# Altium PCB BerndoKeyboard-Switchboard.PcbDoc (part 2 of 3) (continued)
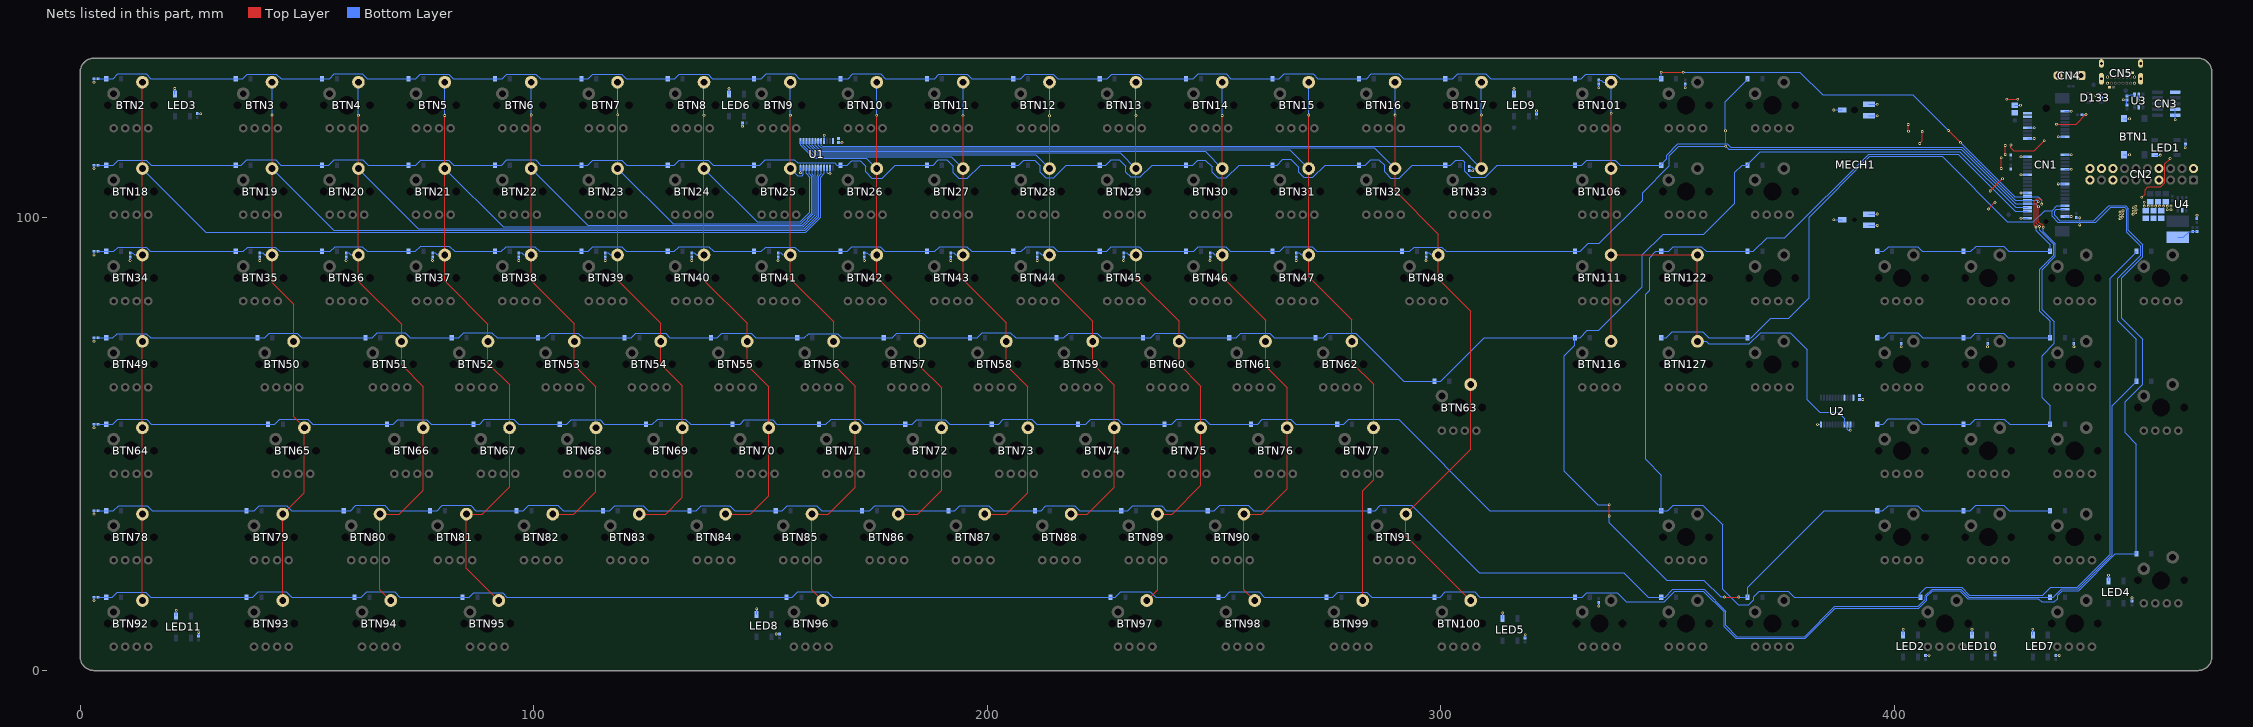
[diagram p2: the nets of this part, all layers, seen from the top]
## Part data (continued)
R39: "RES 60K4 1% 1/16W SMD 0402 YAEGO", Case/Package=0402, Case Code (Metric)=1005, Internal Part Number=R000021, Manufacturer=Yageo, Max Operating Temperature=155°C, Min Operating Temperature=-55°C, Power Rating=62.5mW, Resistance=60.4kR, Supplier Part Number 1=311-60.4KLRCT-ND, Temperature Coefficient=100ppm/°C, Tolerance=1%, Voltage Rating=50V, Case Code (Imperial)=0402, ComponentLink1Description=https://datasheet.ciiva.com/17068/pyu-rc0402-51-rohs-l-6-r-17068614.pdf?src-supplier=Future+Electronics, ComponentLink1URL=https://datasheet.ciiva.com/17068/pyu-rc0402-51-rohs-l-6-r-17068614.pdf?src-supplier=Future+Electronics, ComponentLink2Description=https://datasheet.ciiva.com/28398/pyu-rc0402-51-rohs-l-6-28398086.pdf?src-supplier=Avnet+Europe, ComponentLink2URL=https://datasheet.ciiva.com/28398/pyu-rc0402-51-rohs-l-6-28398086.pdf?src-supplier=Avnet+Europe, ComponentLink3Description=https://datasheet.ciiva.com/16867/pyu-rc0402-51-rohs-l-6-16867357.pdf?src-supplier=Avnet+Europe, ComponentLink3URL=https://datasheet.ciiva.com/16867/pyu-rc0402-51-rohs-l-6-16867357.pdf?src-supplier=Avnet+Europe, ComponentLink4Description=https://datasheet.ciiva.com/8888/pyu-rc0402-51-rohs-l-6-8888622.pdf?src-supplier=Avnet, ComponentLink4URL=https://datasheet.ciiva.com/8888/pyu-rc0402-51-rohs-l-6-8888622.pdf?src-supplier=Avnet, Composition="Thick Film", Contact Plating=Tin,Matte, Depth=0.5mm, Lead Free="Lead Free", Length=1mm, Manufacturer Part Number=RC0402FR-0760K4L, Military Standard=Not, Packaging="Tape and Reel", Pricing 1="1 = 0,10000, 10 = 0,01600, 100 = 0,00640, 1000 = 0,00289, 2500 = 0,00251, 5000 = 0,00207 (USD)", RoHS=Yes, Stock 1=969860, Supplier 1=Digi-Key, Termination=SMD/SMT, Voltage Rating (DC)=50V, Width=500um
TP1 TP2 TP3 TP4 TP5: library part TESTPOINT_CIRCULAR_1MM
U1 U2: "IC I/O EXPANDER I2C 16B 24TSSOP", Case/Package=TSSOP, Frequency=400kHz, Internal Part Number=IC000051, Manufacturer="NXP Semiconductors", Max Operating Temperature=85°C, Max Power Dissipation=200mW, Max Supply Voltage=5.5V, Min Operating Temperature=-40°C, Min Supply Voltage=2.3V, Nominal Supply Current=160mA, Operating Supply Current=135uA, Output Current=50mA, Output Voltage=4.1V, Package Quantity=1, Supplier Part Number 1=568-1058-1-ND, ComponentLink1Description=https://datasheet.ciiva.com/15134/getdatasheetpartid-148982-15134333.pdf?src-supplier=Verical, ComponentLink1URL=https://datasheet.ciiva.com/15134/getdatasheetpartid-148982-15134333.pdf?src-supplier=Verical, ComponentLink2Description=https://datasheet.ciiva.com/1780/pca9555-1780068.pdf?src-supplier=Digi-Key, ComponentLink2URL=https://datasheet.ciiva.com/1780/pca9555-1780068.pdf?src-supplier=Digi-Key, ComponentLink3Description=https://datasheet.ciiva.com/1504/1090559-1504901.pdf?src-supplier=Farnell, ComponentLink3URL=https://datasheet.ciiva.com/1504/1090559-1504901.pdf?src-supplier=Farnell, ComponentLink4Description=https://datasheet.ciiva.com/1780/pca9555-1780069.pdf?src-supplier=Digi-Key, ComponentLink4URL=https://datasheet.ciiva.com/1780/pca9555-1780069.pdf?src-supplier=Digi-Key, ComponentLink5Description=https://datasheet.ciiva.com/1780/pca9555-1780070.pdf?src-supplier=Digi-Key, ComponentLink5URL=https://datasheet.ciiva.com/1780/pca9555-1780070.pdf?src-supplier=Digi-Key, ComponentLink6Description=https://datasheet.ciiva.com/1495/1090559-1495945.pdf?src-supplier=Element14, ComponentLink6URL=https://datasheet.ciiva.com/1495/1090559-1495945.pdf?src-supplier=Element14, ComponentLink7Description=https://datasheet.ciiva.com/8122/pca9555-8122281.pdf?src-supplier=Avnet, ComponentLink7URL=https://datasheet.ciiva.com/8122/pca9555-8122281.pdf?src-supplier=Avnet, ComponentLink8Description=https://datasheet.ciiva.com/46381/1090559-46381881.pdf?src-supplier=Element14, ComponentLink8URL=https://datasheet.ciiva.com/46381/1090559-46381881.pdf?src-supplier=Element14, ComponentLink9Description=https://datasheet.ciiva.com/4826/pca9555-4826810.pdf?src-supplier=Mouser, ComponentLink9URL=https://datasheet.ciiva.com/4826/pca9555-4826810.pdf?src-supplier=Mouser, Interface=I2C,SMBus,Serial, Lead Free="Lead Free", Manufacturer Part Number=PCA9555PW,118, Max Frequency=400kHz, Mount="Surface Mount", Number of I/Os=16, Number of Pins=24, Packaging="Tape and Reel", Pricing 1="1 = 1,70000, 10 = 1,52900, 100 = 1,22860, 500 = 1,00940, 1000 = 0,83636 (USD)", Radiation Hardening=No, REACH SVHC="No SVHC", RoHS=Yes, Stock 1=10944, Supplier 1=Digi-Key
U3: "IC LEVEL SHIFTER BIDIR TRISTATE 1CH SOT-23-6 1V65-5V5", Case/Package=SOT-23, High Level Output Current=-32mA, Internal Part Number=IC000052, Low Level Output Current=32mA, Manufacturer="Texas Instruments", Max Operating Temperature=85°C, Max Supply Voltage=5.5V, Min Operating Temperature=-40°C, Min Supply Voltage=1.65V, Package Quantity=3000, Quiescent Current=3uA, Supplier Part Number 1=296-16843-1-ND, ComponentLink1Description=https://datasheet.ciiva.com/27055/2000549-27055985.pdf?src-supplier=Jameco, ComponentLink1URL=https://datasheet.ciiva.com/27055/2000549-27055985.pdf?src-supplier=Jameco, ComponentLink2Description=https://datasheet.ciiva.com/23943/1772421-23943378.pdf?src-supplier=Newark, ComponentLink2URL=https://datasheet.ciiva.com/23943/1772421-23943378.pdf?src-supplier=Newark, ComponentLink3Description=https://datasheet.ciiva.com/15086/getdatasheetpartid-309359-15086627.pdf?src-supplier=Verical, ComponentLink3URL=https://datasheet.ciiva.com/15086/getdatasheetpartid-309359-15086627.pdf?src-supplier=Verical, ComponentLink4Description=https://datasheet.ciiva.com/7293/1862463-7293669.pdf?src-supplier=Newark, ComponentLink4URL=https://datasheet.ciiva.com/7293/1862463-7293669.pdf?src-supplier=Newark, ComponentLink5Description=https://datasheet.ciiva.com/1899/sn74lvc1t45-1899260.pdf?src-supplier=Digi-Key, ComponentLink5URL=https://datasheet.ciiva.com/1899/sn74lvc1t45-1899260.pdf?src-supplier=Digi-Key, ComponentLink6Description=https://datasheet.ciiva.com/1899/sn74lvc1t45-1899261.pdf?src-supplier=Digi-Key, ComponentLink6URL=https://datasheet.ciiva.com/1899/sn74lvc1t45-1899261.pdf?src-supplier=Digi-Key, ComponentLink7Description=https://datasheet.ciiva.com/25973/sn74lvc1t45-25973997.pdf?src-supplier=Avnet+Europe, ComponentLink7URL=https://datasheet.ciiva.com/25973/sn74lvc1t45-25973997.pdf?src-supplier=Avnet+Europe, ComponentLink8Description=https://datasheet.ciiva.com/1899/sn74lvc1t45-1899262.pdf?src-supplier=Digi-Key, ComponentLink8URL=https://datasheet.ciiva.com/1899/sn74lvc1t45-1899262.pdf?src-supplier=Digi-Key, Contact Plating=Gold, Data Rate=420Mbps, Direction=Bidirectional, Height=1.75mm, Lead Free="Lead Free", Length=3.05mm, Logic Function=Translator,Transceiver, Manufacturer Part Number=SN74LVC1T45DBVR, Mount="Surface Mount", Number of Bits=1, Number of Channels=1, Number of Elements=1, Number of Inputs=1, Number of Pins=6, Packaging="Tape and Reel", Polarity=Non-Inverting, Pricing 1="1 = 0,60000, 10 = 0,51000, 100 = 0,38070, 500 = 0,29912, 1000 = 0,23113 (USD)", Propagation Delay=3.9ns, Radiation Hardening=No, REACH SVHC="No SVHC", RoHS=Yes, Stock 1=70407, Supplier 1=Digi-Key, Turn-On Delay Time=36.2ns, Weight=0.000229oz, Width=1.3mm
U4: "IC REGULATOR BUCK 2A SYNC 1MHZ SOT-23-6", Case/Package=SOT-23-6, Internal Part Number=IC000028, Manufacturer=Diodes, Max Input Voltage=5.5V, Max Operating Temperature=85°C, Min Input Voltage=2.7V, Min Operating Temperature=-40°C, Min Output Voltage=600mV, Output Current=2A, Supplier Part Number 1=AP3419KTTR-G1DICT-ND, Switching Frequency=1MHz, ComponentLink1Description=https://www.diodes.com/assets/Datasheets/AP3419.pdf?src-supplier=Digi-Key, ComponentLink1URL=https://www.diodes.com/assets/Datasheets/AP3419.pdf?src-supplier=Digi-Key, Manufacturer Part Number=AP3419KTTR-G1, Max Output Voltage=5.5V, Mount="Surface Mount", Number of Outputs=1, Output Configuration=Positive, Output Type=Adjustable, Packaging="Tape and Reel", Pricing 1="1 = 0,42000, 10 = 0,33900, 100 = 0,23070, 500 = 0,17304, 1000 = 0,12978 (USD)", RoHS=Yes, Stock 1=72992, Supplier 1=Digi-Key, Synchronous Rectifier=Yes

## Via types
v1: diameter 0.6, hole 0.3, Top Layer to Bottom Layer, tented both sides, 203 vias

## Nets (pads, with @x,y where several pads share a name; then routed paths per layer and width w, separated by ;. In a path a pad name is that pad's centre, name@x,y a point inside that pad or via, vN(x,y) a via of type N, cw(c..) or ccw(c..) an arc to the next point about the centre after c; other vN are vias at no path point)
3V3: C1.1 C2.1 C3.1 C4.1 C20.1 C21.1 C22.1 C23.1 CN1.2 CN1.4 CN2.2 CN2.8 CN3.10 CN4.1 L1.2 R1.1 R32.1 R33.1 R34.1 R38.1 U1.24 U2.21 U2.24 U3.1 U3.5 | length 56.2
  Top Layer w0.25: v1(403.104,120.39) 403.114,120.381 403.114,118.896 v1(403.124,118.886) ; v1(405.604,116.208) 406.18,116.784 v1(406.18,118.83) ; v1(420.779,101.777) v1(422.206,103.204) ; v1(421.143,105.735) v1(423.862,108.454) ; v1(423.592,110.696) v1(423.592,113.044) ; v1(424.451,113.802) v1(424.451,115.764) ; v1(424.816,125.97) 424.821,125.965 v1(427.224,125.965) ; v1(425.715,115.888) 425.715,115.25 426.379,114.586 430.839,114.586 v1(433.051,116.798) ; v1(435.791,120.435) 440.087,120.435 v1(442.262,122.61) ; v1(440.895,99.849) 440.895,98.264 v1(440.906,98.254) ; v1(454.589,104.325) 455.313,105.05 455.313,106.023 455.92,106.63 458.729,106.63 459.668,107.569 459.668,111.74 v1(460.82,112.893)
  Bottom Layer w0.25: R34.1@440.1,99.85 v1(440.895,99.849) ; R1.1@441.35,122.6 442.252,122.6 v1(442.262,122.61) ; C4.1@451.3,126.71 451.397,126.807 451.985,126.807 452.153,126.975 U3.1@452.95,126.975 ; v1@454.589,104.316 v1(454.589,104.325) ; L1.2@462.5,95.5 463.7,95.5 465,96.8 R38.1@465.85,96.8 465.855,96.805 466.745,96.805 C20.1@466.75,96.81
  other v1: 449.793,99.617 450.348,99.98 449.793,100.343 452.662,100.584 450.395,100.709 453.25,100.924 449.768,101.094 452.685,101.282 450.432,101.367 453.291,101.61 452.679,102.043 453.265,102.379
GND: BTN1.1 BTN1.2 C1.2 C2.2 C3.2 C4.2 C5.2 C6.2 C7.2 C8.2 C9.2 C10.2 C11.2 C12.2 C13.2 C14.2 C15.2 C16.2 C17.2 C18.2 C19.2 C21.2 C22.2 C23.2 CN1.1 CN1.10 CN1.15 CN1.16 CN1.17 CN1.18 CN1.25 CN1.28 CN1.33 CN1.38 CN1.51 CN1.52 CN2.7 CN2.15 CN2.16 CN2.18 CN2.19 CN2.20 CN3.2 CN3.4 CN4.3 CN5.A1 CN5.A12 CN5.B1 CN5.B12 CN5.SH D133.2 LED1.1 LED2.1 LED3.1 LED4.1 LED5.1 LED6.1 LED7.1 LED8.1 LED9.1 LED10.1 LED11.1 MECH1.0 R3.1 R4.1 R5.1 R6.1 R7.1 R8.1 R9.1 R10.1 R11.1 R12.1 R13.1 R14.1 R15.1 R16.1 R17.1 R18.1 R19.2 R20.2 R21.2 R22.2 R23.2 R24.2 R25.2 R26.1 R27.1 R28.1 R29.1 R30.1 R31.1 R35.2 R36.2 R39.2 U1.2 U1.3 U1.12 U1.21 U2.2 U2.3 U2.12 U3.2 U4.2 | length 93.6
  Bottom Layer w0.25: v1(3.035,15.443) R25.2@3.035,16.185 ; v1(3.035,34.493) R24.2@3.035,35.235 ; v1(3.035,53.543) R23.2@3.035,54.285 ; v1(3.035,72.593) R22.2@3.035,73.335 ; v1(3.035,91.643) R21.2@3.035,92.385 ; v1(3.035,110.693) R20.2@3.035,111.435 ; v1(3.035,129.743) R19.2@3.035,130.485 ; v1(10.985,90.423) R3.1@10.985,91.165 ; LED3.1@20.85,127.1 v1(20.85,128.329) ; LED11.1@21.15,12.05 v1(21.15,13.279) ; C8.2@25.815,122.775 v1(26.557,122.775) ; C16.2@26.115,7.655 v1(26.115,8.397) ; v1(39.56,90.423) R4.1@39.56,91.165 ; v1(58.61,90.423) R5.1@58.61,91.165 ; v1(77.66,90.423) R6.1@77.66,91.165 ; v1(96.71,90.423) R7.1@96.71,91.165 ; v1(115.76,90.423) R8.1@115.76,91.165 ; v1(134.81,90.423) R9.1@134.81,91.165 ; LED6.1@143.05,127.1 v1(143.05,128.329) ; v1(146.005,119.993) C11.2@146.005,120.735 ; LED8.1@149.15,12.35 v1(149.15,13.579) ; v1(153.443,8.055) C13.2@154.185,8.055 ; v1(153.86,90.423) R10.1@153.86,91.165 ; U1.12@158.81,110.835 158.838,110.808 v1(158.838,109.787) ; v1(164.038,118.017) 164.038,116.767 U1.21@164.04,116.765 ; U1.3@164.675,110.85 164.713,110.812 164.713,109.785 164.861,109.638 165.267,109.638 v1(165.334,109.571) 165.334,110.812 U1.2@165.31,110.835 ; C2.2@167.215,116.405 v1(167.957,116.405) ; v1(172.91,90.423) R11.1@172.91,91.165 ; v1(191.96,90.423) R12.1@191.96,91.165 ; v1(211.01,90.423) R13.1@211.01,91.165 ; v1(230.06,90.423) R14.1@230.06,91.165 ; v1(249.11,90.423) R15.1@249.11,91.165 ; v1(268.16,90.423) R16.1@268.16,91.165 ; v1(296.735,90.423) R17.1@296.735,91.165 ; R18.1@306.29,110.215 v1(307.032,110.215) ; LED5.1@313.65,11.45 v1(313.65,12.679) ; LED9.1@316.15,127.1 v1(316.15,128.329) ; C10.2@318.615,7.155 v1(318.615,7.897) ; C14.2@321.115,122.705 v1(321.115,123.447) ; v1(334.835,14.223) R28.1@334.835,14.965 ; v1(334.835,128.523) R26.1@334.835,129.265 ; v1(353.885,128.523) R27.1@353.885,129.265 ; v1(383.068,54.265) U2.12@383.81,54.265 ; v1(386.655,99.4) MECH1.0@388.5,99.4 ; v1(386.655,123.6) MECH1.0@388.5,123.6 ; U2.3@389.675,54.25 389.675,53.175 389.854,52.996 v1(390.302,52.996) 390.302,54.227 U2.2@390.31,54.235 ; C3.2@392.315,59.745 v1(393.057,59.745) ; MECH1.0@394.4,98.15 v1(396.245,98.15) ; MECH1.0@394.4,100.65 396.245,100.65 v1(396.256,100.661) ; MECH1.0@394.4,122.35 v1(396.245,122.35) ; MECH1.0@394.4,124.85 v1(396.245,124.85) ; v1(401.51,71.373) R29.1@401.51,72.115 ; LED2.1@401.95,7.85 v1(401.95,9.079) ; C7.2@406.917,3.325 v1(407.66,3.325) ; LED10.1@417.15,7.85 v1(417.15,9.079) ; v1(420.56,71.373) R30.1@420.56,72.115 ; C15.2@422.215,3.415 v1(422.215,4.157) ; C1.2@426.6,124.65 426.614,124.636 v1(427.839,124.636) ; v1(427.955,99.7) CN1.52@429.4,99.7 ; v1(427.955,105.3) CN1.38@429.4,105.3 ; v1(427.955,109.3) CN1.28@429.4,109.3 ; v1(427.955,113.3) CN1.18@429.4,113.3 ; CN1.16@429.4,117.3 v1(430.845,117.3) ; CN1.10@429.4,119.7 v1(430.845,119.7) ; LED7.1@430.55,7.85 v1(430.55,9.079) ; C12.2@435.615,3.325 v1(436.357,3.325) ; v1(436.155,107.3) CN1.33@437.6,107.3 ; v1(436.155,117.7) CN1.15@437.6,117.7 ; CN1.51@437.6,100.1 v1(439.045,100.1) ; CN1.25@437.6,110.5 v1(439.045,110.5) ; CN1.17@437.6,113.7 v1(439.045,113.7) ; CN1.1@437.6,123.3 v1(439.045,123.3) ; v1(439.61,71.373) R31.1@439.61,72.115 ; v1(444.496,126.725) 444.527,126.725 444.952,126.3 D133.2@445.675,126.3 ; v1(447.24,21.018) 447.24,19.789 LED4.1@447.265,19.765 ; v1(450.486,125.833) 451.297,125.833 C4.2@451.3,125.83 C5.2@451.3,124.74 ; BTN1.2@450.65,113.725 v1(451.875,113.725) ; BTN1.1@450.65,121.675 v1(451.875,121.675) ; C9.2@452.415,15.315 v1(452.415,16.057) ; v1(453.9,125.75) U3.2@453.9,126.975 ; LED1.1@457.45,113.65 v1(458.675,113.65) ; v1(461.947,121.437) 461.947,122.457 CN3.2@461.95,122.46 CN3.4@461.95,123.73 ; v1(464.17,115.289) 464.17,116.03 C6.2@464.2,116.06 ; R39.2@466.75,99.65 466.765,99.665 v1(466.765,100.407)
  other v1: 460.185,101.569 461.025,101.569 455.148,102.408 455.988,102.408 456.827,102.408 457.667,102.408 458.506,102.408 459.346,102.408 460.185,102.408 461.025,102.408 455.148,103.248
KBM_DATA_0: CN1.40 D1.1 D2.1 D3.1 D4.1 D5.1 D6.1 D7.1 D8.1 D9.1 D10.1 D11.1 D12.1 D13.1 D14.1 D15.1 D16.1 D100.1 D101.1 D102.1 D103.1 D104.1 R19.1 | length 512.2
  Top Layer w0.127: v1(348.608,131.928) 353.47,131.928 v1(353.482,131.916) ; v1(411.939,119.085) v1(414.618,116.406) ; v1(431.264,97.808) 430.845,98.227 430.845,103.455 431.363,103.974 432.113,103.974 432.489,103.598 v1(432.489,102.851)
  Bottom Layer w0.127: R19.1@3.95,130.5 D1.1@5.714,130.5 7.233,130.5 8.301,131.568 14.521,131.568 15.59,130.5 D2.1@34.289,130.5 35.808,130.5 36.828,131.52 43.231,131.52 44.271,130.48 D3.1@53.339,130.48 54.964,130.48 56.055,131.571 62.167,131.571 63.238,130.5 D4.1@72.389,130.5 73.989,130.5 74.991,131.503 81.224,131.503 82.226,130.5 D5.1@91.439,130.5 93.062,130.5 94.065,131.503 100.485,131.503 101.488,130.5 D6.1@110.489,130.5 112.053,130.5 113.05,131.498 119.375,131.498 120.373,130.5 D7.1@129.539,130.5 131.114,130.5 132.091,131.477 138.432,131.477 139.409,130.5 D8.1@148.589,130.5 150.174,130.5 151.246,131.572 157.492,131.572 158.564,130.5 D9.1@167.639,130.5 169.292,130.5 170.344,131.553 176.458,131.553 177.511,130.5 D10.1@186.689,130.5 188.39,130.5 189.352,131.462 195.609,131.462 196.571,130.5 D11.1@205.739,130.5 207.355,130.5 208.352,131.496 214.598,131.496 215.594,130.5 D12.1@224.789,130.5 226.454,130.5 227.431,131.477 233.564,131.477 234.541,130.5 D13.1@243.839,130.5 245.419,130.5 246.491,131.572 252.662,131.572 253.734,130.5 D14.1@262.889,130.5 264.423,130.5 265.476,131.553 271.836,131.553 272.889,130.5 D15.1@281.939,130.5 283.635,130.5 284.669,131.534 290.783,131.534 291.816,130.5 D16.1@300.989,130.5 302.666,130.5 303.738,131.572 309.918,131.572 310.99,130.5 D100.1@329.564,130.5 330.941,130.5 331.971,131.53 338.498,131.53 339.529,130.5 D101.1@348.614,130.5 348.614,131.922 v1(348.608,131.928) ; v1(353.482,131.916) 379.197,131.916 384.205,126.909 404.115,126.909 v1(411.939,119.085) ; D102.1@396.239,92.4 397.687,92.4 398.753,93.466 405.138,93.466 406.205,92.4 D103.1@415.289,92.4 416.906,92.4 418.07,93.564 424.106,93.564 425.27,92.4 D104.1@434.339,92.4 434.339,93.925 431.264,97 v1(431.264,97.808) ; v1(414.618,116.406) 426.524,104.5 CN1.40@429.4,104.5 431.728,104.5 432.489,103.739 v1(432.489,102.851)
KBM_DATA_1: CN1.42 D17.1 D18.1 D19.1 D20.1 D21.1 D22.1 D23.1 D24.1 D25.1 D26.1 D27.1 D28.1 D29.1 D30.1 D31.1 D32.1 D105.1 D106.1 D107.1 D108.1 D109.1 R20.1 | length 550.4
  Top Layer w0.127: v1(431.722,103.368) 431.275,102.92 431.275,98.656 v1(432.024,97.907)
  Bottom Layer w0.127: R20.1@3.95,111.45 D17.1@5.714,111.45 7.284,111.45 8.363,112.529 14.572,112.529 15.651,111.45 D18.1@34.289,111.45 35.542,111.45 36.699,112.607 43.096,112.607 44.253,111.45 D19.1@53.339,111.45 54.822,111.45 55.979,112.608 62.306,112.608 63.464,111.45 D20.1@72.389,111.45 73.984,111.45 75.059,112.525 81.27,112.525 82.346,111.45 D21.1@91.439,111.45 92.931,111.45 94.073,112.591 100.449,112.591 101.59,111.45 D22.1@110.489,111.45 111.862,111.45 112.971,112.558 119.396,112.558 120.505,111.45 D23.1@129.539,111.45 131.008,111.45 132.083,112.525 138.509,112.525 139.584,111.45 D24.1@148.589,111.45 149.838,111.45 151.014,112.626 157.47,112.626 158.169,111.927 166.321,111.927 166.798,111.45 D25.1@167.639,111.45 169.103,111.45 170.111,112.459 171.967,112.459 173.188,111.237 173.188,109.953 174.563,108.578 176.794,108.578 179.666,111.45 D26.1@186.689,111.45 188.07,111.45 189.244,112.625 191.085,112.625 192.481,111.229 192.481,109.756 193.693,108.544 195.611,108.544 198.517,111.45 D27.1@205.739,111.45 206.977,111.45 208.014,112.487 210.511,112.487 211.654,111.344 211.654,109.88 212.85,108.683 214.687,108.683 217.453,111.45 D28.1@224.789,111.45 226.18,111.45 227.338,112.608 229.099,112.608 230.566,111.141 230.566,109.875 231.612,108.83 233.721,108.83 236.341,111.45 D29.1@243.839,111.45 245.329,111.45 246.432,112.553 248.102,112.553 249.624,111.031 249.624,109.838 250.835,108.628 252.687,108.628 255.509,111.45 D30.1@262.889,111.45 263.91,111.45 265.178,112.718 266.903,112.718 268.645,110.976 268.645,109.912 269.837,108.72 271.8,108.72 274.531,111.45 D31.1@281.939,111.45 283.317,111.45 284.53,112.663 286.364,112.663 287.611,111.416 287.611,109.93 288.953,108.589 290.874,108.589 293.735,111.45 D32.1@300.989,111.45 302.229,111.45 303.331,112.552 304.829,112.552 305.286,112.095 305.286,110.103 306.618,108.77 309.772,108.77 312.452,111.45 D105.1@329.564,111.45 331.101,111.45 332.216,112.565 338.45,112.565 339.565,111.45 D106.1@348.614,111.45 348.614,111.602 349.802,112.791 349.802,113.67 352.297,116.165 363.149,116.165 363.92,115.394 415.024,115.394 426.718,103.7 CN1.42@429.4,103.7 431.39,103.7 v1(431.722,103.368) ; D107.1@396.239,73.35 397.662,73.35 398.806,74.494 405.141,74.494 406.285,73.35 D108.1@415.289,73.35 416.867,73.35 417.899,74.382 424.146,74.382 425.178,73.35 D109.1@434.339,73.35 434.339,77.013 432.087,79.265 432.087,88.487 435.166,91.565 435.166,93.948 432.024,97.09 v1(432.024,97.907)
KBM_DATA_2: CN1.44 D33.1 D34.1 D35.1 D36.1 D37.1 D38.1 D39.1 D40.1 D41.1 D42.1 D43.1 D44.1 D45.1 D46.1 D47.1 D110.1 D111.1 D112.1 D113.1 D114.1 R21.1 | length 568.8
  Top Layer w0.127: v1(362.782,119.018) 362.797,119.003 362.797,115.623 v1(362.812,115.608) ; v1(431.799,102.282) 431.799,98.918 432.193,98.524 432.559,98.524 432.857,98.226 432.857,97.749 v1(432.871,97.735)
  Bottom Layer w0.127: R21.1@3.95,92.4 D33.1@5.714,92.4 7.36,92.4 8.345,93.384 14.499,93.384 15.483,92.4 D34.1@34.289,92.4 35.968,92.4 36.944,93.376 43.036,93.376 44.012,92.4 D35.1@53.339,92.4 55.114,92.4 56.176,93.462 62.214,93.462 63.276,92.4 D36.1@72.389,92.4 73.879,92.4 75.057,93.578 81.355,93.578 82.533,92.4 D37.1@91.439,92.4 92.846,92.4 93.879,93.433 100.25,93.433 101.283,92.4 D38.1@110.489,92.4 112.001,92.4 113.005,93.404 119.362,93.404 120.366,92.4 D39.1@129.539,92.4 131.023,92.4 132.043,93.421 138.625,93.421 139.646,92.4 D40.1@148.589,92.4 150.178,92.4 151.159,93.382 157.598,93.382 158.58,92.4 D41.1@167.639,92.4 169.121,92.4 170.113,93.391 176.43,93.391 177.421,92.4 D42.1@186.689,92.4 188.43,92.4 189.47,93.44 195.527,93.44 196.567,92.4 D43.1@205.739,92.4 207.527,92.4 208.552,93.424 214.494,93.424 215.518,92.4 D44.1@224.789,92.4 226.364,92.4 227.372,93.408 233.543,93.408 234.55,92.4 D45.1@243.839,92.4 245.494,92.4 246.518,93.424 252.542,93.424 253.566,92.4 D46.1@262.889,92.4 264.494,92.4 265.502,93.408 271.64,93.408 272.647,92.4 D47.1@291.464,92.4 293.181,92.4 294.156,93.375 300.196,93.375 301.171,92.4 D110.1@329.564,92.4 330.793,92.4 332.56,94.167 334.931,94.167 344.494,103.729 344.494,105.374 350.423,111.302 350.423,113.521 352.509,115.608 v1(362.812,115.608) 363.51,114.909 414.735,114.909 426.744,102.9 CN1.44@429.4,102.9 431.181,102.9 v1(431.799,102.282) ; v1(362.782,119.018) 362.782,125.465 367.664,130.348 D111.1@367.664,130.5 ; D112.1@396.239,54.3 397.531,54.3 398.702,55.472 405.087,55.472 406.259,54.3 D113.1@415.289,54.3 416.7,54.3 417.827,55.427 424.293,55.427 425.42,54.3 D114.1@434.339,54.3 434.339,58.37 432.587,60.123 432.587,69.446 435.287,72.146 435.287,76.865 432.587,79.565 432.587,88.377 435.543,91.333 435.543,94.118 432.871,96.79 v1(432.871,97.735)
KBM_DATA_3: CN1.46 D48.1 D49.1 D50.1 D51.1 D52.1 D53.1 D54.1 D55.1 D56.1 D57.1 D58.1 D59.1 D60.1 D61.1 D62.1 D115.1 D116.1 D117.1 D118.1 D119.1 D120.1 R22.1 | length 638.1
  Top Layer w0.127: v1(337.123,36.527) 337.134,36.517 v1(337.134,34.053) ; v1(362.554,16.221) 362.569,16.206 v1(365.698,16.206)
  Bottom Layer w0.127: R22.1@3.95,73.35 D48.1@5.714,73.35 7.171,73.35 8.111,74.29 14.601,74.29 15.542,73.35 D49.1@39.052,73.35 40.655,73.35 41.653,74.349 47.793,74.349 48.791,73.35 D50.1@62.864,73.35 64.393,73.35 65.511,74.468 71.698,74.468 72.815,73.35 D51.1@81.914,73.35 83.442,73.35 84.61,74.518 90.748,74.518 91.916,73.35 D52.1@100.964,73.35 102.473,73.35 103.528,74.405 109.823,74.405 110.879,73.35 D53.1@120.014,73.35 121.546,73.35 122.507,74.311 129.07,74.311 130.031,73.35 D54.1@139.064,73.35 140.429,73.35 141.469,74.391 147.92,74.391 148.96,73.35 D55.1@158.114,73.35 159.662,73.35 160.585,74.273 167.035,74.273 167.958,73.35 D56.1@177.164,73.35 179.014,73.35 180.054,74.391 185.875,74.391 186.916,73.35 D57.1@196.214,73.35 197.736,73.35 198.855,74.469 205.109,74.469 206.228,73.35 D58.1@215.264,73.35 216.891,73.35 217.931,74.391 224.225,74.391 225.265,73.35 D59.1@234.314,73.35 236.03,73.35 237.067,74.387 243.109,74.387 244.146,73.35 D60.1@253.364,73.35 254.91,73.35 255.921,74.36 262.259,74.36 263.269,73.35 D61.1@272.414,73.35 274.061,73.35 275.098,74.387 281.221,74.387 291.783,63.825 D62.1@298.608,63.825 300.01,63.825 309.535,73.35 D115.1@329.564,73.35 ; v1(337.123,36.527) 334.569,36.527 327.188,43.908 327.188,69.353 329.564,71.73 D115.1@329.564,73.35 ; v1(337.134,34.053) 337.134,32.56 349.784,19.909 358.003,19.909 361.69,16.221 v1(362.554,16.221) ; v1(365.698,16.206) 365.704,16.2 D117.1@367.664,16.2 367.664,18.405 384.509,35.25 D118.1@396.239,35.25 397.504,35.25 398.623,36.369 405.127,36.369 406.246,35.25 D119.1@415.289,35.25 416.748,35.25 417.944,36.446 424.103,36.446 425.299,35.25 D120.1@434.339,35.25 ; CN1.46@429.4,102.1 427.882,102.1 427.88,102.102 426.785,102.102 414.463,114.423 370.485,114.423 367.664,111.602 D116.1@367.664,111.45 366.462,111.45 364.847,109.835 364.847,103.046 358.01,96.209 349.006,96.209 344.432,91.635 344.432,84.605 334.802,74.975 332.347,74.975 330.722,73.35 D115.1@329.564,73.35
KBM_DATA_4: CN1.48 D63.1 D64.1 D65.1 D66.1 D67.1 D68.1 D69.1 D70.1 D71.1 D72.1 D73.1 D74.1 D75.1 D76.1 D121.1 D122.1 D123.1 D124.1 D125.1 R23.1 | length 715.3
  Bottom Layer w0.127: R23.1@3.95,54.3 D63.1@5.714,54.3 7.166,54.3 8.213,55.347 14.642,55.347 15.69,54.3 D64.1@41.433,54.3 42.904,54.3 43.983,55.38 50.196,55.38 51.275,54.3 D65.1@67.627,54.3 69.039,54.3 70.025,55.286 76.424,55.286 77.41,54.3 D66.1@86.677,54.3 88.055,54.3 89.129,55.374 95.559,55.374 96.634,54.3 D67.1@105.727,54.3 107.319,54.3 108.289,55.27 114.614,55.27 115.584,54.3 D68.1@124.777,54.3 126.138,54.3 127.291,55.453 133.433,55.453 134.586,54.3 D69.1@143.827,54.3 145.48,54.3 146.45,55.27 152.645,55.27 153.615,54.3 D70.1@162.877,54.3 164.43,54.3 165.557,55.427 171.752,55.427 172.878,54.3 D71.1@181.927,54.3 183.459,54.3 184.455,55.296 190.78,55.296 191.776,54.3 D72.1@200.977,54.3 202.513,54.3 203.562,55.348 209.809,55.348 210.857,54.3 D73.1@220.027,54.3 221.725,54.3 222.825,55.401 228.811,55.401 229.912,54.3 D74.1@239.077,54.3 240.727,54.3 241.828,55.401 247.97,55.401 249.071,54.3 D75.1@258.127,54.3 259.625,54.3 260.673,55.348 266.973,55.348 268.021,54.3 D76.1@277.177,54.3 278.601,54.3 279.702,55.401 290.693,55.401 310.844,35.25 D123.1@348.614,35.25 ; CN1.48@429.4,101.3 426.692,101.3 414.106,113.885 394.323,113.885 375.897,95.459 371.993,95.459 368.934,92.4 D122.1@367.664,92.4 358.545,92.4 357.467,93.478 351.315,93.478 350.238,92.4 D121.1@348.614,92.4 347.457,92.4 346.08,91.022 346.08,83.821 345.174,82.915 345.174,46.533 348.614,43.093 D123.1@348.614,35.25 ; D125.1@453.389,92.4 453.389,92.248 447.604,86.463 447.604,25.638 440.362,18.395 434.507,18.395 432.725,16.614 416.561,16.614 414.832,18.343 407.027,18.343 405.764,17.08 D124.1@405.764,16.2 377.896,16.2 376.641,17.455 370.211,17.455 369.013,16.257 369.013,15.595 367.925,14.507 365.577,14.507 362.137,17.947 362.137,32.124 357.78,36.482 351.296,36.482 350.064,35.25 D123.1@348.614,35.25
KBM_DATA_5: CN1.45 D77.1 D78.1 D79.1 D80.1 D81.1 D82.1 D83.1 D84.1 D85.1 D86.1 D87.1 D88.1 D89.1 D90.1 D126.1 D127.1 D128.1 D129.1 D130.1 R24.1 | length 709
  Bottom Layer w0.127: R24.1@3.95,35.25 D77.1@5.714,35.25 7.315,35.25 8.44,36.375 14.754,36.375 15.879,35.25 D78.1@36.671,35.25 38.326,35.25 39.44,36.364 45.49,36.364 46.604,35.25 D79.1@58.102,35.25 59.592,35.25 60.737,36.395 67.123,36.395 68.267,35.25 D80.1@77.152,35.25 78.689,35.25 79.833,36.395 86.066,36.395 87.211,35.25 D81.1@96.202,35.25 97.636,35.25 98.872,36.486 105.246,36.486 106.482,35.25 D82.1@115.252,35.25 116.781,35.25 117.876,36.345 124.186,36.345 125.281,35.25 D83.1@134.302,35.25 135.88,35.25 136.975,36.345 143.184,36.345 144.279,35.25 D84.1@153.352,35.25 154.777,35.25 155.906,36.379 162.351,36.379 163.48,35.25 D85.1@172.402,35.25 174.045,35.25 175.174,36.379 181.248,36.379 182.377,35.25 D86.1@191.452,35.25 192.822,35.25 193.906,36.334 200.303,36.334 201.387,35.25 D87.1@210.502,35.25 211.903,35.25 212.941,36.288 219.33,36.288 220.367,35.25 D88.1@229.552,35.25 231.011,35.25 232.071,36.31 238.46,36.31 239.52,35.25 D89.1@248.602,35.25 250.094,35.25 251.28,36.436 257.584,36.436 258.77,35.25 D90.1@284.32,35.25 285.526,35.25 286.67,36.394 293.648,36.394 308.441,21.6 340.36,21.6 345.76,16.2 D128.1@348.614,16.2 349.46,16.2 351.137,17.876 358.056,17.876 362.854,13.078 362.854,9.957 365.318,7.493 380.235,7.493 386.862,14.12 405.277,14.12 406.871,15.714 406.871,16.488 408.342,17.959 414.626,17.959 416.385,16.2 D129.1@434.339,16.2 435.096,16.2 436.886,17.99 440.524,17.99 448.059,25.526 448.059,58.343 453.389,63.673 D130.1@453.389,63.825 453.389,72.993 449.251,77.132 449.251,86.507 454.348,91.604 454.348,93.584 451.279,96.653 451.279,101.61 450.776,102.113 447.722,102.113 444.446,98.837 436.1,98.837 434.795,100.141 434.795,101.424 ; D126.1@348.614,73.35 349.761,73.35 351.079,74.667 357.784,74.667 359.102,73.35 D127.1@367.664,73.35 368.474,73.35 372.789,77.665 376.696,77.665 381.227,82.196 381.227,99.971 394.622,113.366 410.556,113.366 424.956,98.967 430.695,98.967 433.152,101.424 434.795,101.424 ; CN1.45@437.6,102.5 435.871,102.5 434.795,101.424
KBM_DATA_6: CN1.47 D91.1 D92.1 D93.1 D94.1 D95.1 D96.1 D97.1 D98.1 D99.1 D131.1 D132.1 R25.1 | length 582.6
  Bottom Layer w0.127: R25.1@3.95,16.2 D91.1@5.714,16.2 7.05,16.2 8.154,17.303 14.47,17.303 15.574,16.2 D92.1@36.671,16.2 38.074,16.2 39.24,17.367 45.44,17.367 46.606,16.2 D93.1@60.483,16.2 61.965,16.2 63.131,17.367 69.299,17.367 70.466,16.2 D94.1@84.295,16.2 85.776,16.2 86.752,17.176 93.111,17.176 94.087,16.2 D95.1@155.733,16.2 156.988,16.2 158.186,17.398 164.693,17.398 165.891,16.2 D96.1@227.17,16.2 228.269,16.2 229.4,17.331 235.975,17.331 237.106,16.2 D97.1@250.983,16.2 252.325,16.2 253.456,17.331 259.926,17.331 261.057,16.2 D98.1@274.795,16.2 276.224,16.2 277.329,17.305 283.695,17.305 284.8,16.2 D99.1@298.608,16.2 299.836,16.2 300.967,17.331 307.516,17.331 308.647,16.2 D131.1@329.564,16.2 331.212,16.2 332.166,17.154 338.903,17.154 340.938,15.119 349.223,15.119 351.583,17.479 357.893,17.479 362.467,12.905 362.467,9.684 365.041,7.11 380.401,7.11 387.025,13.733 405.417,13.733 407.188,15.504 407.188,16.33 408.456,17.598 414.486,17.598 416.217,15.867 431.773,15.867 432.535,15.105 435.331,15.105 436.005,15.78 436.005,16.64 437.004,17.639 440.668,17.639 448.754,25.725 D132.1@453.389,25.725 453.389,49.924 450.91,52.403 450.91,59.248 454.821,63.159 454.821,73.059 450.207,77.673 450.207,86.642 454.845,91.279 454.845,93.905 451.639,97.111 451.639,101.832 451.04,102.431 447.259,102.431 444.003,99.176 436.519,99.176 435.362,100.333 435.362,101.306 435.756,101.7 CN1.47@437.6,101.7
KBM_PROBE_0: BTN2.2 BTN18.2 BTN34.2 BTN49.2 BTN64.2 BTN78.2 BTN92.2 R3.2 U1.4 | length 285.1
  Top Layer w0.127: BTN92.2@13.702,15.43 BTN78.2@13.702,34.48 BTN64.2@13.702,53.53 BTN49.2@13.702,72.58 BTN34.2@13.702,91.63 BTN18.2@13.702,110.68 BTN2.2@13.702,129.73
  Bottom Layer w0.127: R3.2@11,92.08 11.507,92.08 11.957,91.63 BTN34.2@13.702,91.63 ; BTN18.2@13.702,110.68 27.722,96.661 159.988,96.661 163.239,99.913 163.239,108.809 164.025,109.595 U1.4@164.025,110.85
KBM_PROBE_1: BTN3.2 BTN19.2 BTN35.2 BTN50.2 BTN65.2 BTN79.2 BTN93.2 R4.2 U1.5 | length 260.6
  Top Layer w0.127: BTN19.2@42.277,110.68 BTN35.2@42.277,91.63 42.277,85.554 47.04,80.791 BTN50.2@47.04,72.58 47.04,55.911 BTN65.2@49.421,53.53 49.421,39.242 BTN79.2@44.659,34.48 BTN93.2@44.659,15.43 ; BTN19.2@42.277,110.68 v1(42.277,122.499)
  Bottom Layer w0.127: R4.2@39.575,92.08 40.197,92.08 40.647,91.63 BTN35.2@42.277,91.63 ; BTN19.2@42.277,110.68 55.929,97.042 159.836,97.042 162.85,100.056 162.85,108.968 163.375,109.495 U1.5@163.375,110.85 ; v1(42.277,122.499) BTN3.2@42.277,129.73
KBM_PROBE_2: BTN4.2 BTN20.2 BTN36.2 BTN51.2 BTN66.2 BTN80.2 BTN94.2 R5.2 U1.6 | length 249.1
  Top Layer w0.127: v1(61.329,122.441) 61.327,122.439 BTN20.2@61.327,110.68 BTN36.2@61.327,91.63 61.327,85.887 70.852,76.362 BTN51.2@70.852,72.58 70.852,67.386 75.616,62.623 BTN66.2@75.616,53.53 75.616,39.749 70.346,34.48 BTN80.2@66.091,34.48 66.091,17.811 BTN94.2@68.472,15.43
  Bottom Layer w0.127: R5.2@58.625,92.08 59.165,92.08 59.615,91.63 BTN36.2@61.327,91.63 ; BTN20.2@61.327,110.68 74.581,97.423 159.658,97.423 162.46,100.225 162.46,109.131 162.725,109.4 U1.6@162.725,110.85 ; BTN4.2@61.327,129.73 BTN4.2@61.327,129.73 61.328,122.442 v1(61.329,122.441)
KBM_PROBE_3: BTN5.2 BTN21.2 BTN37.2 BTN52.2 BTN67.2 BTN81.2 BTN95.2 R6.2 U1.7 | length 230.6
  Top Layer w0.127: BTN21.2@80.377,110.68 BTN37.2@80.377,91.63 80.377,85.911 89.902,76.386 BTN52.2@89.902,72.58 89.902,67.718 94.666,62.955 BTN67.2@94.666,53.53 94.666,40.465 88.68,34.48 BTN81.2@85.141,34.48 85.141,22.573 BTN95.2@92.284,15.43 ; BTN21.2@80.377,110.68 v1@80.378,122.37
  Bottom Layer w0.127: R6.2@77.675,92.08 78.249,92.08 78.699,91.63 BTN37.2@80.377,91.63 ; BTN21.2@80.377,110.68 93.266,97.804 159.385,97.804 162.07,100.49 U1.7@162.07,110.85 ; BTN5.2@80.377,129.73 80.377,122.372 v1(80.379,122.37)
KBM_PROBE_4: BTN6.2 BTN22.2 BTN38.2 BTN53.2 BTN68.2 BTN82.2 R7.2 U1.8 | length 189.5
  Top Layer w0.127: v1(99.412,122.488) 99.427,122.473 BTN22.2@99.427,110.68 BTN38.2@99.427,91.63 99.427,85.935 108.952,76.41 BTN53.2@108.952,72.58 108.952,67.358 113.716,62.595 BTN68.2@113.716,53.53 113.716,39.399 108.797,34.48 BTN82.2@104.191,34.48
  Bottom Layer w0.127: R7.2@96.725,92.08 97.317,92.08 97.767,91.63 BTN38.2@99.427,91.63 ; v1(99.412,122.488) 99.42,122.496 99.42,129.722 BTN6.2@99.427,129.73 ; BTN22.2@99.427,110.68 111.922,98.185 159.195,98.185 161.68,100.671 161.68,109.136 161.425,109.391 U1.8@161.425,110.85
KBM_PROBE_5: BTN7.2 BTN23.2 BTN39.2 BTN54.2 BTN69.2 BTN83.2 R8.2 U1.9 | length 170.4
  Top Layer w0.127: v1(118.499,122.56) 118.488,122.549 118.488,110.691 BTN23.2@118.477,110.68 BTN39.2@118.477,91.63 118.477,86.062 128.002,76.537 BTN54.2@128.002,72.58 128.002,67.569 132.766,62.806 BTN69.2@132.766,53.53 132.766,38.189 129.056,34.48 BTN83.2@123.241,34.48
  Bottom Layer w0.127: R8.2@115.775,92.08 116.4,92.08 116.85,91.63 BTN39.2@118.477,91.63 ; BTN23.2@118.477,110.68 130.59,98.567 ; BTN7.2@118.477,129.73 118.477,122.581 v1(118.499,122.56) ; 130.59,98.567 158.987,98.567 ; 158.987,98.567 161.291,100.871 161.291,108.988 160.775,109.511 U1.9@160.775,110.85
KBM_PROBE_6: BTN8.2 BTN24.2 BTN40.2 BTN55.2 BTN70.2 BTN84.2 R9.2 U1.10 | length 150.4
  Top Layer w0.127: v1(137.525,122.428) 137.527,122.426 BTN24.2@137.527,110.68 BTN40.2@137.527,91.63 137.527,86.079 147.052,76.554 BTN55.2@147.052,72.58 147.052,67.352 151.816,62.589 BTN70.2@151.816,53.53 151.816,38.549 147.746,34.48 BTN84.2@142.291,34.48
  Bottom Layer w0.127: R9.2@134.825,92.08 135.431,92.08 135.881,91.63 BTN40.2@137.527,91.63 ; v1(137.525,122.428) 137.526,122.43 BTN8.2@137.527,129.73 BTN8.2@137.527,129.73 ; BTN24.2@137.527,110.68 149.26,98.948 158.795,98.948 160.901,101.054 160.901,108.82 160.125,109.596 U1.10@160.125,110.85
KBM_PROBE_7: BTN9.2 BTN25.2 BTN41.2 BTN56.2 BTN71.2 BTN85.2 BTN96.2 R10.2 U1.11 | length 135.2
  Top Layer w0.127: v1(156.588,122.419) 156.583,122.414 156.583,110.685 BTN25.2@156.577,110.68 BTN41.2@156.577,91.63 156.577,86.432 166.102,76.907 BTN56.2@166.102,72.58 166.102,67.42 170.866,62.657 BTN71.2@170.866,53.53 170.866,40.459 164.886,34.48 BTN85.2@161.341,34.48 161.341,17.811 BTN96.2@163.722,15.43
  Bottom Layer w0.127: R10.2@153.875,92.08 154.457,92.08 154.907,91.63 BTN41.2@156.577,91.63 ; BTN25.2@156.577,110.68 156.715,110.68 158.254,109.141 159.168,109.141 159.475,109.448 U1.11@159.475,110.85 ; BTN9.2@156.577,129.73 156.577,122.429 v1(156.588,122.419)
KBM_PROBE_8: BTN10.2 BTN26.2 BTN42.2 BTN57.2 BTN72.2 BTN86.2 R11.2 U1.13 | length 130.4
  Top Layer w0.127: v1(175.62,122.412) 175.627,122.405 BTN26.2@175.627,110.68 BTN42.2@175.627,91.63 175.627,86.733 185.152,77.208 BTN57.2@185.152,72.58 185.152,67.078 189.916,62.315 BTN72.2@189.916,53.53 189.916,39.762 184.633,34.48 BTN86.2@180.391,34.48
  Bottom Layer w0.127: U1.13@158.825,116.75 158.825,115.826 161.698,112.953 173.354,112.953 BTN26.2@175.627,110.68 ; R11.2@172.925,92.08 173.475,92.08 173.925,91.63 BTN42.2@175.627,91.63 ; v1(175.62,122.412) 175.624,122.416 175.624,129.726 BTN10.2@175.627,129.73
KBM_PROBE_9: BTN11.2 BTN27.2 BTN43.2 BTN58.2 BTN73.2 BTN87.2 R12.2 U1.14 | length 149.1
  Top Layer w0.127: v1(194.661,122.364) 194.669,122.356 194.669,110.688 BTN27.2@194.677,110.68 BTN43.2@194.677,91.63 194.677,86.213 204.202,76.688 BTN58.2@204.202,72.58 204.202,67.299 208.966,62.536 BTN73.2@208.966,53.53 208.966,39.209 204.236,34.48 BTN87.2@199.441,34.48
  Bottom Layer w0.127: U1.14@159.475,116.75 159.475,115.851 161.987,113.339 192.018,113.339 BTN27.2@194.677,110.68 ; R12.2@191.975,92.08 192.573,92.08 193.023,91.63 BTN43.2@194.677,91.63 ; v1(194.661,122.364) 194.677,122.381 BTN11.2@194.677,129.73
KBM_PROBE_10: BTN12.2 BTN28.2 BTN44.2 BTN59.2 BTN74.2 BTN88.2 R13.2 U1.15 | length 166.7
  Top Layer w0.127: v1(213.734,122.354) 213.727,122.348 BTN28.2@213.727,110.68 BTN44.2@213.727,91.63 213.727,86.516 223.252,76.991 BTN59.2@223.252,72.58 223.252,67.685 228.016,62.922 BTN74.2@228.016,53.53 228.016,40.434 222.062,34.48 BTN88.2@218.491,34.48
  Bottom Layer w0.127: U1.15@160.125,116.75 160.125,115.892 162.286,113.731 210.677,113.731 BTN28.2@213.727,110.68 ; R13.2@211.025,92.08 211.605,92.08 212.055,91.63 BTN44.2@213.727,91.63 ; BTN12.2@213.727,129.73 213.731,129.727 213.731,122.358 v1(213.734,122.354)
KBM_PROBE_11: BTN13.2 BTN29.2 BTN45.2 BTN60.2 BTN75.2 BTN89.2 BTN97.2 R14.2 U1.16 | length 204.9
  Top Layer w0.127: v1(232.782,122.397) 232.78,122.394 232.78,110.682 BTN29.2@232.777,110.68 BTN45.2@232.777,91.63 232.777,86.49 242.302,76.965 BTN60.2@242.302,72.58 242.302,67.494 247.066,62.731 BTN75.2@247.066,53.53 247.066,40.802 240.744,34.48 BTN89.2@237.541,34.48 237.541,17.812 BTN97.2@235.159,15.43
  Bottom Layer w0.127: U1.16@160.775,116.75 160.775,115.894 162.553,114.116 229.341,114.116 BTN29.2@232.777,110.68 ; R14.2@230.075,92.08 230.702,92.08 231.152,91.63 BTN45.2@232.777,91.63 ; BTN13.2@232.777,129.73 232.777,122.402 v1(232.782,122.397)
KBM_PROBE_12: BTN14.2 BTN30.2 BTN46.2 BTN61.2 BTN76.2 BTN90.2 BTN98.2 R15.2 U1.17 | length 223.8
  Top Layer w0.127: v1(251.824,122.385) 251.827,122.381 BTN30.2@251.827,110.68 BTN46.2@251.827,91.63 251.827,86.794 261.352,77.269 BTN61.2@261.352,72.58 261.352,67.057 266.116,62.294 BTN76.2@266.116,53.53 266.116,40.061 260.534,34.48 BTN90.2@256.591,34.48 256.591,17.811 BTN98.2@258.972,15.43
  Bottom Layer w0.127: U1.17@161.425,116.75 161.425,115.865 162.806,114.484 248.023,114.484 BTN30.2@251.827,110.68 ; R15.2@249.125,92.08 249.735,92.08 250.185,91.63 BTN46.2@251.827,91.63 ; v1(251.824,122.385) 251.826,122.386 251.826,129.728 BTN14.2@251.827,129.73
KBM_PROBE_13: BTN15.2 BTN31.2 BTN47.2 BTN62.2 BTN77.2 BTN99.2 R16.2 U1.18 | length 235.9
  Top Layer w0.127: v1(270.877,122.489) BTN31.2@270.877,110.68 BTN47.2@270.877,91.63 270.877,86.85 280.402,77.325 BTN62.2@280.402,72.58 280.402,67.854 285.166,63.091 BTN77.2@285.166,53.53 285.166,42.073 282.784,39.691 BTN99.2@282.784,15.43
  Bottom Layer w0.127: U1.18@162.075,116.75 162.075,115.832 163.059,114.848 266.709,114.848 BTN31.2@270.877,110.68 ; R16.2@268.175,92.08 268.799,92.08 269.249,91.63 BTN47.2@270.877,91.63 ; v1(270.877,122.489) BTN15.2@270.877,129.73
KBM_PROBE_14: BTN16.2 BTN32.2 BTN48.2 BTN63.2 BTN91.2 BTN100.2 R17.2 U1.19 | length 266.2
  Top Layer w0.127: v1(289.927,122.47) BTN32.2@289.927,110.68 289.927,105.739 299.452,96.214 BTN48.2@299.452,91.63 299.452,86.349 306.597,79.205 BTN63.2@306.597,63.055 306.597,48.768 BTN91.2@292.309,34.48 292.309,29.718 BTN100.2@306.597,15.43
  Bottom Layer w0.127: U1.19@162.725,116.75 162.725,115.846 163.347,115.224 285.384,115.224 BTN32.2@289.927,110.68 ; v1(289.927,122.47) BTN16.2@289.927,129.73 ; R17.2@296.75,92.08 297.405,92.08 297.855,91.63 BTN48.2@299.452,91.63
KBM_PROBE_15: BTN17.2 BTN33.2 R18.2 U1.20 | length 170.6
  Top Layer w0.127: v1(308.974,122.503) 308.976,122.501 308.976,110.682 BTN33.2@308.977,110.68
  Bottom Layer w0.127: U1.20@163.375,116.75 163.375,115.86 163.67,115.565 304.093,115.565 BTN33.2@308.977,110.68 307.311,110.68 306.861,111.13 R18.2@306.275,111.13 ; v1(308.974,122.503) 308.977,122.506 BTN17.2@308.977,129.73
KBM_PROBE_16: BTN101.2 BTN106.2 BTN111.2 BTN116.2 BTN122.2 BTN127.2 R26.2 U2.4 | length 147.4
  Top Layer w0.127: BTN116.2@337.552,72.58 BTN111.2@337.552,91.63 ; v1(337.564,122.873) 337.552,122.862 BTN106.2@337.552,110.68 BTN111.2@337.552,91.63 ; BTN127.2@356.602,72.58 BTN122.2@356.602,91.63 BTN111.2@337.552,91.63
  Bottom Layer w0.127: R26.2@334.85,130.18 335.357,130.18 335.807,129.73 BTN101.2@337.552,129.73 337.558,129.724 337.558,122.879 v1(337.564,122.873) ; BTN127.2@356.602,72.58 358.586,72.58 359.11,72.056 368.057,72.056 370.515,74.514 377.042,74.514 380.843,70.713 380.843,59.713 383.569,56.986 387.578,56.986 389.025,55.539 U2.4@389.025,54.25